# Altium PCB 外设连接基座PCB图3_.PcbDoc (part 1 of 2)
Units mm, origin at the board's own origin, x right, y up, seen from the top; angles counter-clockwise.
Board outline 24.71 x 45.42 mm, 4 copper layers (Top Layer, PWR, GND, Bottom Layer), stack 0.603 mm thick; 61 components, 77 nets, 305 pads, 147 vias.
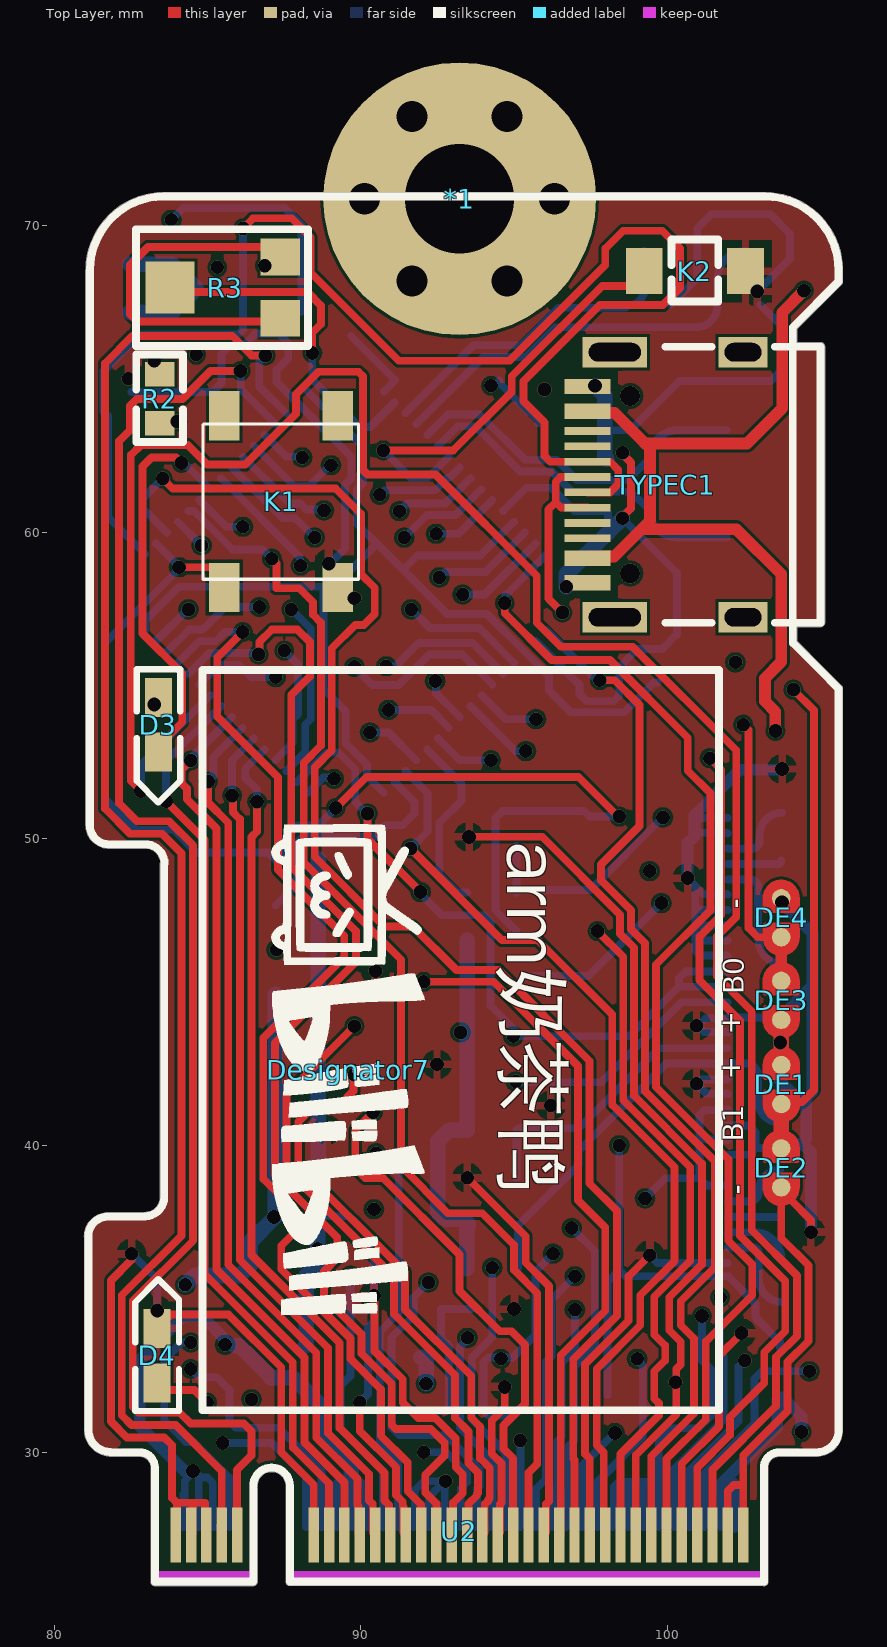
[diagram p0: Top Layer view]
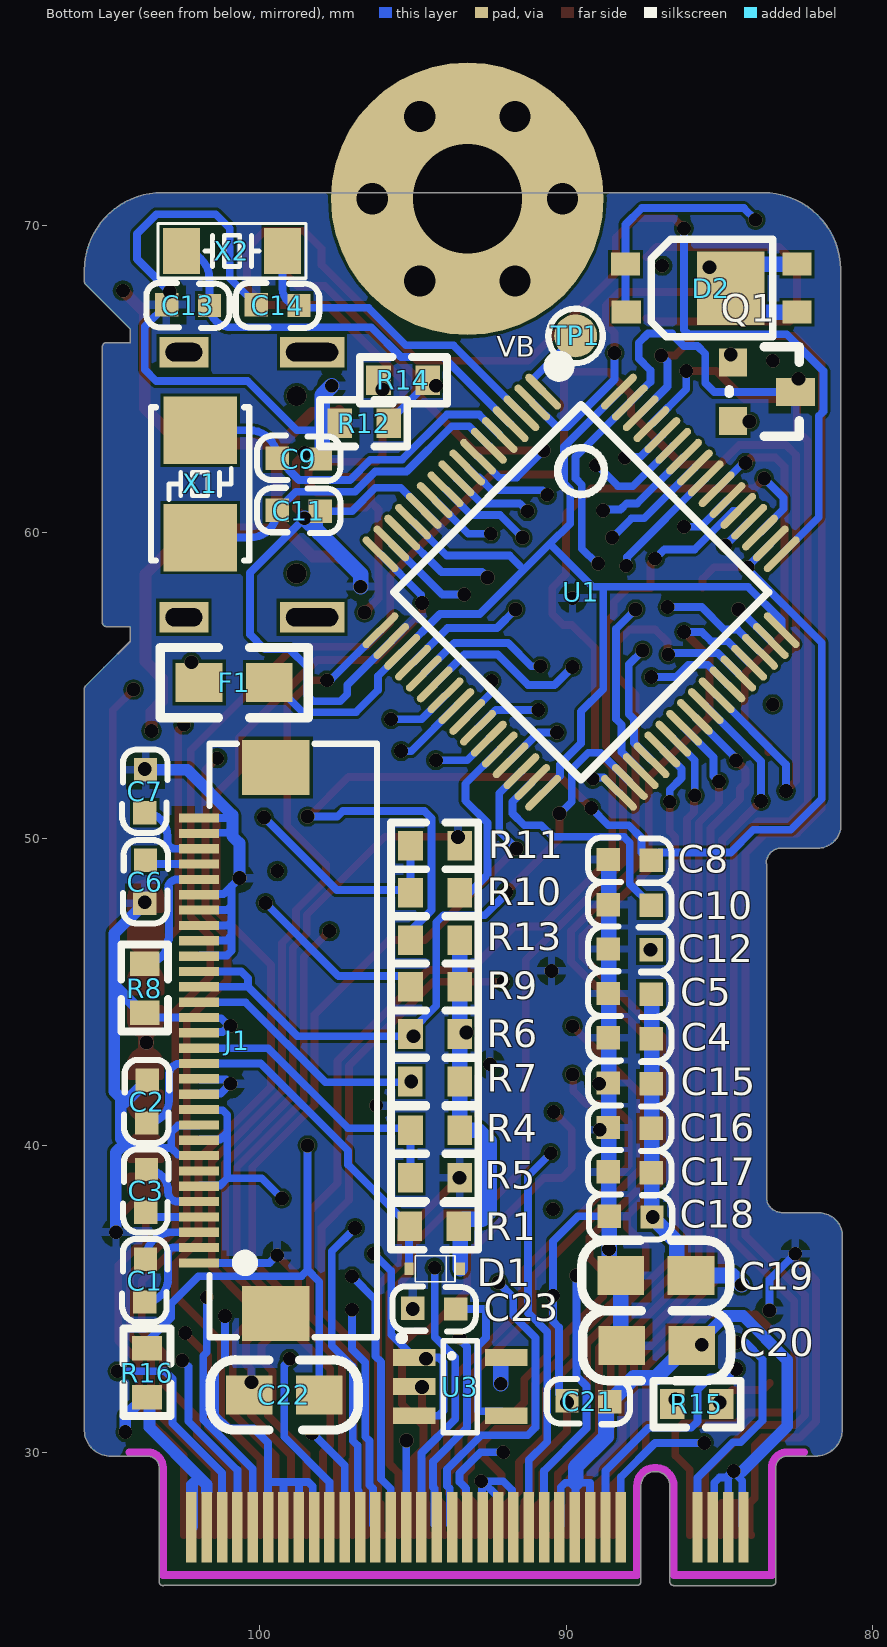
[diagram p1: Bottom Layer view, seen from below]
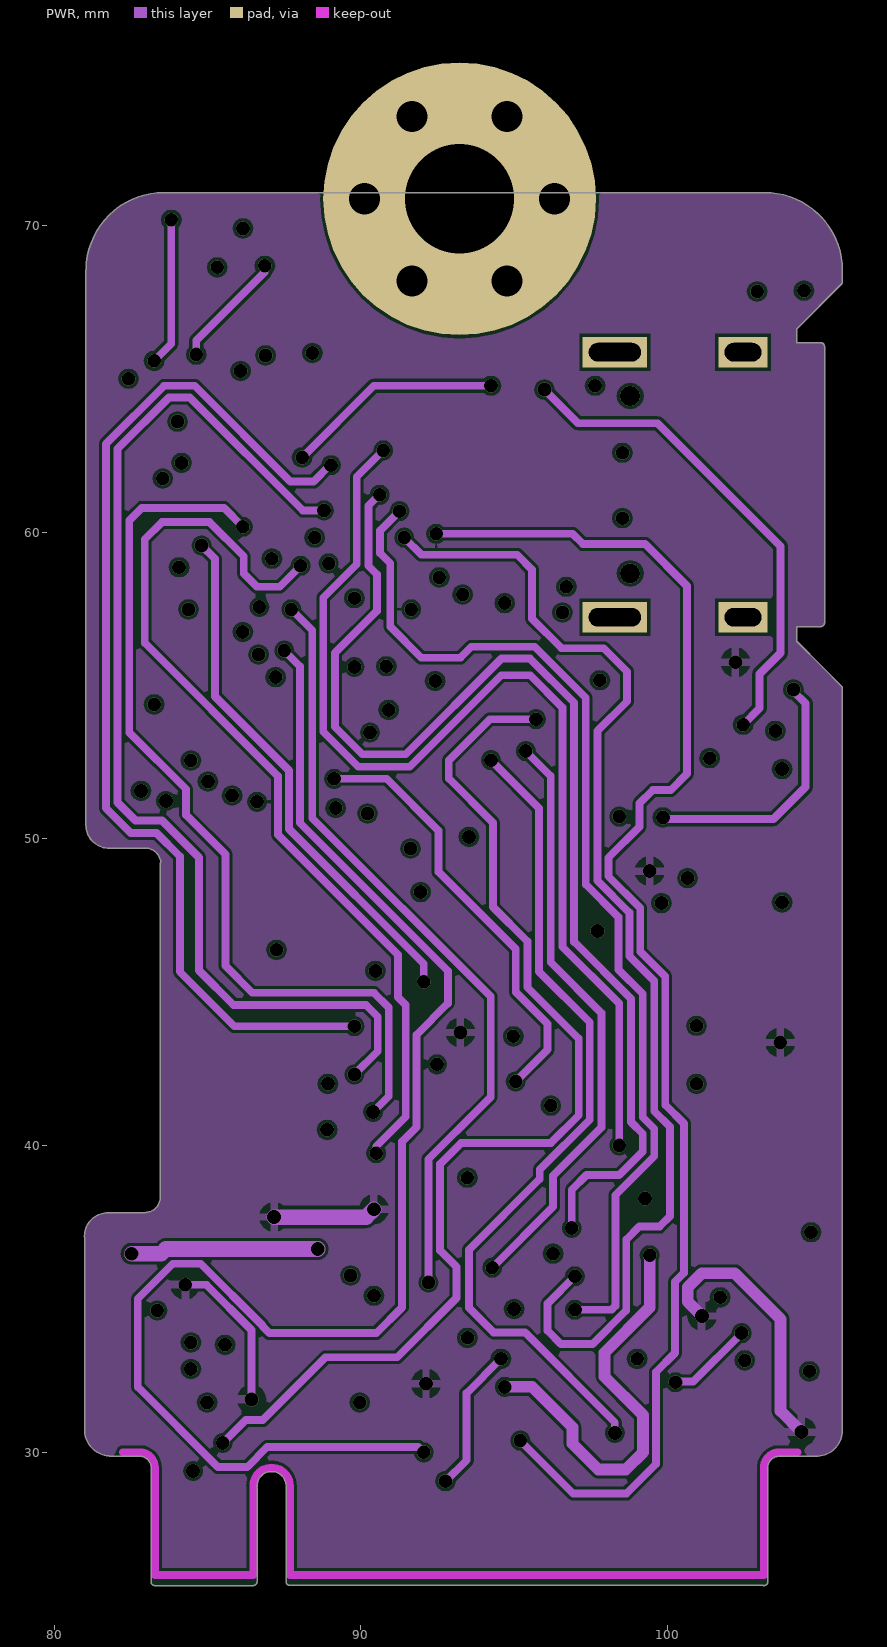
[diagram p2: PWR]
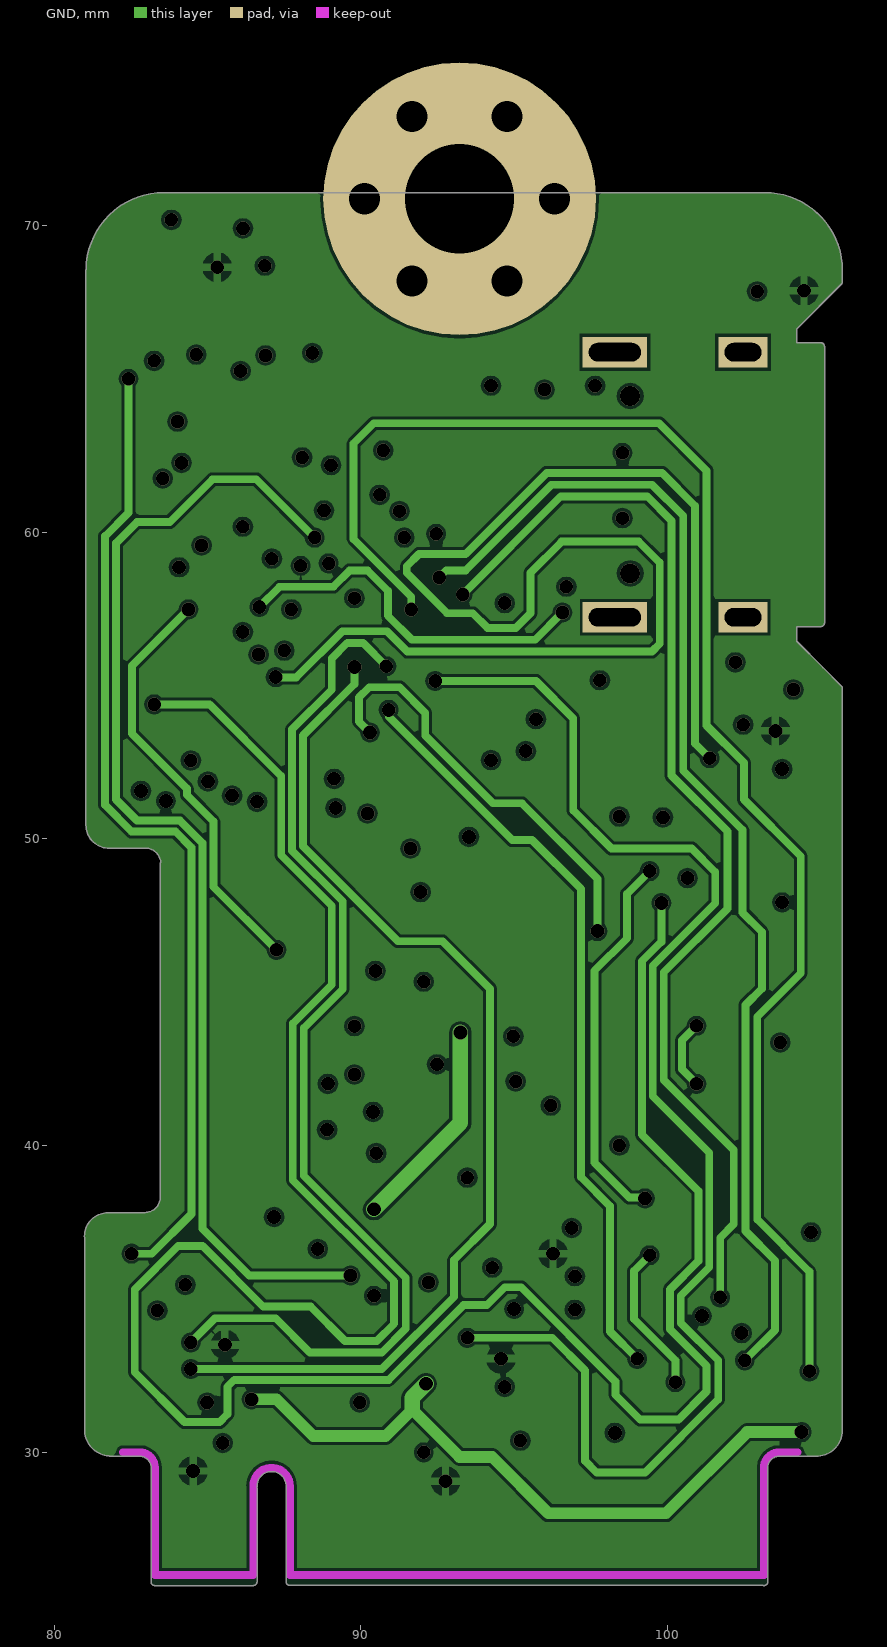
[diagram p3: GND]
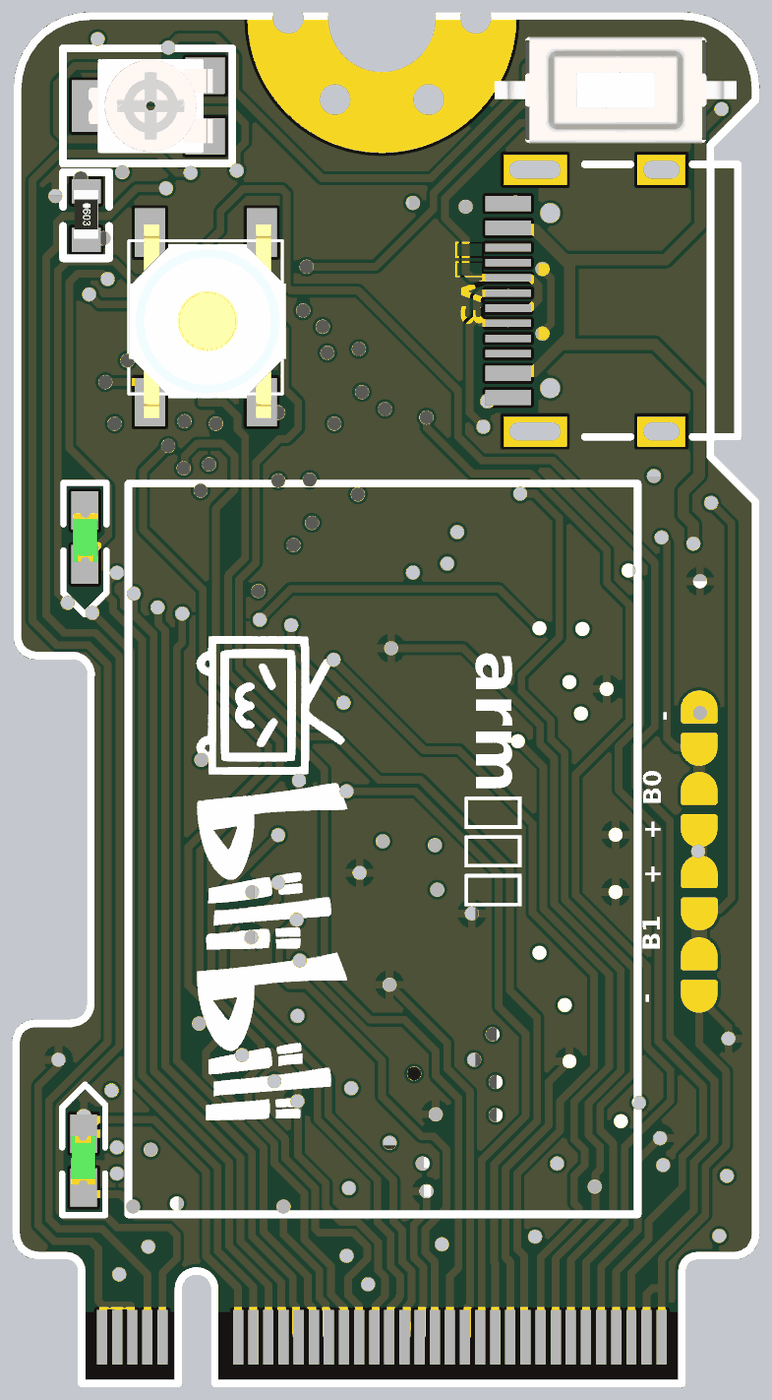
[diagram p5: 3D render of the assembled board from above, using the file's embedded part models]
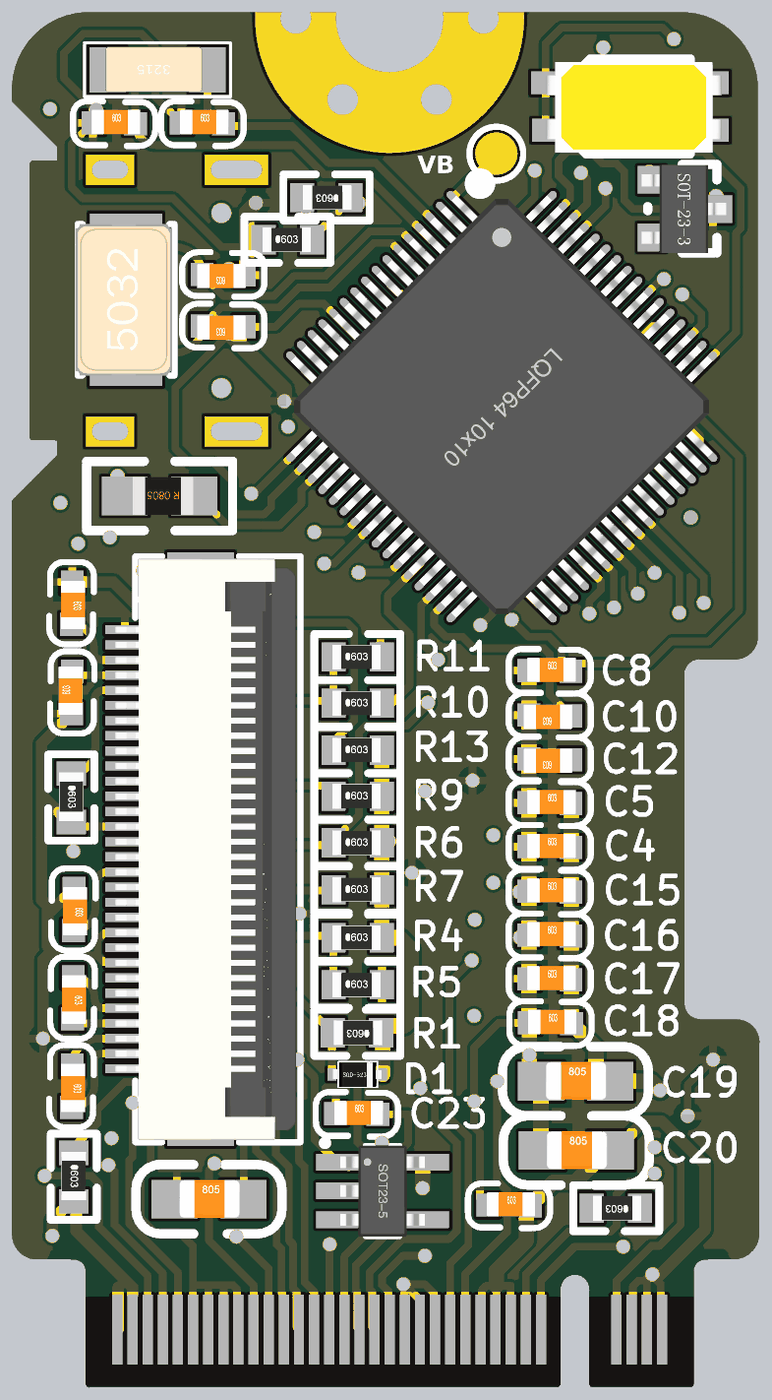
[diagram p6: 3D render of the assembled board from below, using the file's embedded part models]

## Layer stack, top to bottom
Top Solder: solder mask 0.0102, Solder Resist, Dk 3.5
Top Layer: signal copper 0.0356
Dielectric 2: prepreg 0.0711, PP-006, Dk 4.1
PWR: signal copper 0.035
Dielectric 3: prepreg 0.0711, PP-006, Dk 4.1
GND: signal copper 0.035
Dielectric 1: dielectric 0.32, FR-4, Dk 4.8
Bottom Layer: signal copper 0.0356
Bottom Solder: solder mask 0.0102, Solder Resist, Dk 3.5

## Board outline
81.781,29.885 ccw(c81.837,29.999) 81.837,29.872 82.789,29.872 cw(c82.789,29.499) 83.161,29.518 ccw(c83.287,29.497) 83.159,29.497 83.159,25.781 ccw(c83.287,25.781) 83.304,25.655 86.489,25.655 ccw(c86.489,25.782) 86.616,25.782 86.616,28.829 ccw(c86.489,28.829) 86.611,28.864 ccw(c86.489,28.899) 86.616,28.899 cw(c87.089,28.899) 87.089,29.372 cw(c87.089,28.899) 87.562,28.899 87.562,25.784 ccw(c87.689,25.784) 87.689,25.656 103.113,25.656 ccw(c103.14,25.781) 103.267,25.781 103.267,29.463 ccw(c103.14,29.463) 103.266,29.485 ccw(c103.139,29.499) 103.266,29.499 cw(c103.639,29.499) 103.639,29.872 104.837,29.872 cw(c104.854,30.719) 104.836,29.872 104.837,29.872 ccw(c104.854,30.719) 105.701,30.701 ccw(c105.573,30.703) 105.701,30.703 105.701,54.895 ccw(c105.573,54.895) 105.663,54.985 105.664,54.985 105.064,55.584 ccw(c104.973,55.495) 105.063,55.585 ccw(c104.973,55.495) 105.063,55.585 105.064,55.584 104.208,56.441 104.208,56.917 104.989,56.917 ccw(c104.989,57.045) 105.117,57.045 105.117,66.044 ccw(c104.989,66.044) 104.989,66.171 104.208,66.171 104.208,66.622 105.664,68.078 105.663,68.078 ccw(c105.573,68.168) 105.701,68.168 105.701,68.529 ccw(c103.16,68.529) 103.16,71.07 83.584,71.07 ccw(c83.584,68.526) 81.041,68.562 ccw(c81.166,68.539) 81.038,68.539 81.038,50.446 ccw(c81.793,50.446) 81.793,49.692 ccw(c81.793,49.819) 81.804,49.693 ccw(c81.805,49.82) 81.805,49.693 82.962,49.693 ccw(c82.962,49.82) 82.992,49.696 cw(c82.969,49.189) 83.474,49.239 ccw(c83.591,49.189) 83.464,49.189 83.464,38.323 cw(c82.956,38.323) 82.967,37.815 ccw(c82.969,37.688) 82.918,37.805 81.75,37.805 ccw(c81.75,37.042) 80.988,37.042 ccw(c81.115,37.042) 80.994,37.001 80.994,30.746 cw(c81.841,30.73) 80.994,30.748 80.994,30.746 ccw(c81.841,30.73)

## Design rules (kind name [scope] priority, off if disabled: settings)
Clearance [All] p1: gap=0.102 ignorepadtopadclearanceinfootprint=TRUE
ComponentClearance [All] p1: gap=0 collisioncheckmode=3 verticalgap=0 showdistances=TRUE
DiffPairsRouting [All] p1: maxlimit=0.254 minlimit=0.076 mostfreqgap=0.254 toplayer_minwidth=0.381 toplayer_maxwidth=0.381 toplayer_prefwidth=0.381 midlayer1_mingap=0.203 midlayer1_minwidth=0.381 midlayer1_maxwidth=0.381 midlayer1_prefwidth=0.381 midlayer2_mingap=0.203 midlayer2_minwidth=0.381 midlayer2_maxwidth=0.381 midlayer2_prefwidth=0.381 bottomlayer_mingap=0.203 bottomlayer_minwidth=0.381 bottomlayer_maxwidth=0.381 bottomlayer_prefwidth=0.381 maxuncoupledlength=12.7
HoleSize [All] p1: absolutevalues=TRUE maxlimit=4 minlimit=0.45 maxpercent=80.000 minpercent=20.000
HoleToHoleClearance [All] p1: gap=0.102 allowstackedmicrovias=TRUE
MinimumSolderMaskSliver [All] p1: minsoldermaskwidth=0
PolygonConnect [All] p1: connectstyle=Relief reliefconductorwidth=0.254 reliefentries=4 polygonreliefangle="90 Angle" airgapwidth=0.254
RoutingVias [All] p1: holewidth=0.711 width=1.27 viastyle="Through Hole" minholewidth=0.45 minwidth=0.45 maxholewidth=1.8 maxwidth=1.8
SilkToSilkClearance [All] p1: silktosilkclearance=0
SilkToSolderMaskClearance [IsPad] p1: minsilkscreentomaskgap=0 clearancetoexposedcopper=TRUE
SolderMaskExpansion [All] p1: expansion=0.102
Width [All] p1: maxlimit=2.54 minlimit=0.127 preferedwidth=0.254 midlayer1_minwidth=0.254 midlayer2_minwidth=0.254 bottomlayer_minwidth=0.254 minimp=50.000000 maximp=50.000000 favimp=50.000000
23 further rules are at their usual default settings.

## Components (designator, comment, footprint, x,y, rotation, side; value= is the part's Value field where it differs from the comment)
*1 "M3" "M3 140X350" 93.218,70.866 r0 top
C1 "1uF" 0603C 103.699,36.302 r270 bottom
C2 "4.7uF" 0603C 103.639,42.139 r270 bottom
C3 "1uF" 0603C 103.667,39.223 r270 bottom
C4 "1uF" 0603C 88.626,43.519 r180 bottom
C5 "1uF" 0603C 88.626,44.967 r180 bottom
C6 "4.7uF" 0603C 103.743,47.899 r90 bottom
C7 "2.2uF" 0603C 103.699,52.253 r270 bottom
C8 "104" 0603C 88.626,49.336 r180 bottom
C9 "20pF" 0603C 98.013,62.373 r0 bottom
C10 "2.2uF" 0603C 87.218,47.819 r0 bottom
C11 "20pF" 0603C 98.013,60.672 r0 bottom
C12 "2.2uF" 0603C 87.218,46.371 r0 bottom
C13 "20pF" 0603C 103.028,67.421 r180 bottom
C14 "20pF" 0603C 100.107,67.421 r180 bottom
C15 "104" 0603C 88.626,42.046 r180 bottom
C16 "104" 0603C 88.626,40.598 r180 bottom
C17 "104" 0603C 88.626,39.15 r180 bottom
C18 "104" 0603C 88.601,37.703 r180 bottom
C19 "106" 0805C 88.196,35.773 r180 bottom
C20 "106" 0805C 88.169,33.486 r180 bottom
C21 "104" 0603C 89.972,31.683 r180 bottom
C22 "106" 0805C 100.312,31.877 r180 bottom
C23 "104" 0603C 95.001,34.705 r180 bottom
D1 "DIODE" SOD-523 94.92,36.411 r180 bottom
D2 "LED-5630" LED-5630W 82.474,68.713 r180 bottom
D3 "LED-B" LED-0603B 83.394,54.61 r270 top
D4 "LED-G" LED-0603G 83.363,32.258 r90 top
DE1 "DEBUG PAD" DEBUG_B#1 103.708,41.986 r270 top
DE2 "DEBUG PAD" DEBUG_B#2 103.705,39.272 r270 top
DE3 "DEBUG PAD" DEBUG_B#3 103.705,44.733 r90 top
DE4 "DEBUG PAD" DEBUG_B#4 103.705,47.425 r90 top
Designator7 "Comment" LOGO 89.586,42.469 r270 top
F1 "0.1A FUSE" 0805R 99.677,55.093 r0 bottom
J1 "FPC0.5-30P" FPC0.5-30P 99.466,43.424 r90 bottom locked
K1 "KEY" SMD-4X4X1.5 85.482,58.197 r90 top
K2 "KEY" 2X3X0.6 97.079,68.504 r0 top
Q1 "PNP" SOT-23 83.668,64.643 r270 bottom
R1 "4.7K" 0603R 93.497,37.363 r0 bottom
R2 "100R" 0603R 83.439,65.15 r270 top
R3 "10K" 3303W 85.573,67.97 r90 top
R4 "4.7K" 0603R 95.071,40.5 r180 bottom
R5 "4.7K" 0603R 95.071,38.951 r180 bottom
R6 "4.7K" 0603R 95.071,43.637 r180 bottom
R7 "4.7K" 0603R 95.072,42.088 r180 bottom
R8 "910k" 0603R 103.739,45.923 r270 bottom
R9 "100" 0603R 95.071,45.174 r180 bottom
R10 "310K" 0603R 95.071,48.247 r180 bottom
R11 "10K" 0603R 95.071,49.771 r180 bottom
R12 "100K" 0603R 97.383,63.551 r180 bottom
R13 "4.7K" 0603R 95.071,46.698 r180 bottom
R14 "10K" 0603R 94.513,64.948 r0 bottom
R15 "100" 0603R 84.938,31.572 r0 bottom
R16 "10K" 0603R 103.661,33.396 r270 bottom
TP1 "TEST" "TEST 1.4" 89.687,66.396 r180 bottom
TYPEC1 "Type-C" TYPE-C 100.279,61.544 r180 top locked
U1 "STM32F103RET6" "LQFP64 10x10_L" 89.51,58.039 r315 bottom locked
U2 "GF_M.2_MKEY" GF_M.2_M_KEY 93.214,29.999 r0 top locked
U3 "3V3" HX9193 94.948,33.091 r270 bottom
X1 "8M" "OSC 5032-2P" 101.93,61.57 r90 bottom
X2 "32.768KHz" "OSC 3215-2P" 100.89,69.164 r0 bottom

## Footprints (in the part's own frame and the unit in brackets; to place one, negate y for a bottom-side part, rotate by r counter-clockwise, add the part's x,y. Pads: shape width x height; smd on the part's side, far side on the other; paste and mask are expansions set on the pad)
2X3X0.6 [mm] "薄膜按键"
  rect 1.2x1.5 smd: 1(2.159,0) 3(5.461,0)
  silkscreen extent 3.05,-0.99 4.57,1.03, body extent -0.13,-1.76 7.87,1.74, height 2.59
0603C [mil]
  rect 30x30 smd: 1(0.21,-0.35) 2(55.21,-1.35)
  silkscreen extent -26,-30 81,28, body extent -1,-15 62,16, height 12
0603R [mm]
  rect 0.8x0.965 smd: 1(0,0) 2(1.6,0)
  silkscreen extent -0.64,-0.76 2.21,0.76, body extent -0.04,-0.41 1.56,0.41, height 0.45
0805C [mil]
  rect 60x50 smd: 1(-0.71,-0.4) 2(89.29,-0.4)
  silkscreen extent -51,-45 139,45, body extent 6,-25 84,25, height 31
0805R [mil]
  rect 60x50 smd: 1(0,0) 2(90,0)
  silkscreen extent -50,-45 140,45, body extent 1,-25 80,25, height 15
3303W [mm] "3.5*3.1*1.5mm"
  rect 1.2x1.3 smd: 1(-1,-1.8) 3(1,-1.8)
  rect 1.7x1.6 smd: 2(0,1.8)
  silkscreen extent -1.9,-2.7 1.9,2.9, body extent -1.55,-2.06 1.55,2.05, height 1.45
DEBUG_B#1 [mm] "调试断点焊盘"
  round 0.6 smd paste-0.6: 1(-0.635,0) 2(0.635,0)
  Top Layer region: 0.254,-0.508 0.762,-0.508 0.908,-0.479 1.031,-0.396 1.114,-0.273 1.143,-0.127 1.143,-0.127 1.143,0 1.104,0.194 0.994,0.359 0.829,0.469 0.635,0.508 0.635,0.508 0.254,0.508
  Top Layer region: -0.254,0.508 -0.762,0.508 -0.908,0.479 -1.031,0.396 -1.114,0.273 -1.143,0.127 -1.143,0.127 -1.143,0 -1.104,-0.194 -0.994,-0.359 -0.829,-0.469 -0.635,-0.508 -0.635,-0.508 -0.254,-0.508
  Top Layer lines w0.203: 0.635,-0.508 ccw(c0.635,0) 1.143,-0.002 ccw(c0.635,0) 0.635,0.508 0.615,0.508 0.605,0.508 0.569,0.508 0.254,0.508 0.254,0 0.254,-0.508 0.635,-0.508 ; -0.254,-0.508 -0.254,0 -0.254,0.508 -0.635,0.508 ccw(c-0.635,0) -1.143,-0.002 ccw(c-0.635,0) -0.635,-0.508 -0.254,-0.508
DEBUG_B#2 [mm] "调试断点焊盘"
  round 0.6 smd paste-0.6: 1(-0.635,0) 2(0.635,0)
  Top Layer region: 0.254,-0.508 0.762,-0.508 0.908,-0.479 1.031,-0.396 1.114,-0.273 1.143,-0.127 1.143,-0.127 1.143,0 1.104,0.194 0.994,0.359 0.829,0.469 0.635,0.508 0.635,0.508 0.254,0.508
  Top Layer region: -0.254,0.508 -0.762,0.508 -0.908,0.479 -1.031,0.396 -1.114,0.273 -1.143,0.127 -1.143,0.127 -1.143,0 -1.104,-0.194 -0.994,-0.359 -0.829,-0.469 -0.635,-0.508 -0.635,-0.508 -0.254,-0.508
  Top Layer lines w0.203: 0.635,-0.508 ccw(c0.635,0) 1.143,0 ccw(c0.635,0) 1.041,0.305 ccw(c0.635,0) 0.635,0.508 0.254,0.508 0.254,0 0.254,-0.508 0.635,-0.508 ; -0.254,-0.508 -0.254,0 -0.254,0.508 -0.635,0.508 ccw(c-0.635,0) -1.143,0.002 ccw(c-0.635,0) -0.635,-0.508 -0.254,-0.508